# Allegro board LED_FIN.brd (continued)
## Nets (continued)
ROW_OUT_A34: D91.3(ANODE) D92.3(ANODE) D93.3(ANODE) D94.3(ANODE) D95.3(ANODE) D96.3(ANODE) D97.3(ANODE) D98.3(ANODE) D99.3(ANODE) D100.3(ANODE) D101.3(ANODE) D102.3(ANODE) D103.3(ANODE) D104.3(ANODE) D105.3(ANODE) D106.3(ANODE) D107.3(ANODE) D108.3(ANODE) D109.3(ANODE) D110.3(ANODE) D111.3(ANODE) D112.3(ANODE) D113.3(ANODE) D114.3(ANODE) D115.3(ANODE) D116.3(ANODE) D117.3(ANODE) D118.3(ANODE) D119.3(ANODE) D120.3(ANODE) D1231.3(ANODE) D1232.3(ANODE) D1233.3(ANODE) D1234.3(ANODE) D1235.3(ANODE) D1236.3(ANODE) D1237.3(ANODE) D1238.3(ANODE) D1239.3(ANODE) D1240.3(ANODE) D1241.3(ANODE) D1242.3(ANODE) D1243.3(ANODE) D1244.3(ANODE) D1245.3(ANODE) D1246.3(ANODE) D1247.3(ANODE) D1248.3(ANODE) D1249.3(ANODE) D1250.3(ANODE) D1251.3(ANODE) D1252.3(ANODE) D1253.3(ANODE) D1254.3(ANODE) D1255.3(ANODE) D1256.3(ANODE) D1257.3(ANODE) D1258.3(ANODE) D1259.3(ANODE) D1260.3(ANODE) D2371.3(ANODE) D2372.3(ANODE) D2373.3(ANODE) D2374.3(ANODE) D2375.3(ANODE) D2376.3(ANODE) D2377.3(ANODE) D2378.3(ANODE) D2379.3(ANODE) D2380.3(ANODE) D2381.3(ANODE) D2382.3(ANODE) D2383.3(ANODE) D2384.3(ANODE) D2385.3(ANODE) D2386.3(ANODE) D2387.3(ANODE) D2388.3(ANODE) D2389.3(ANODE) D2390.3(ANODE) D2391.3(ANODE) D2392.3(ANODE) D2393.3(ANODE) D2394.3(ANODE) D2395.3(ANODE) D2396.3(ANODE) D2397.3(ANODE) D2398.3(ANODE) D2399.3(ANODE) D2400.3(ANODE) D3511.3(ANODE) D3512.3(ANODE) D3513.3(ANODE) D3514.3(ANODE) D3515.3(ANODE) D3516.3(ANODE) D3517.3(ANODE) D3518.3(ANODE) D3519.3(ANODE) D3520.3(ANODE) D3521.3(ANODE) D3522.3(ANODE) D3523.3(ANODE) D3524.3(ANODE) D3525.3(ANODE) D3526.3(ANODE) D3527.3(ANODE) D3528.3(ANODE) D3529.3(ANODE) D3530.3(ANODE) D3531.3(ANODE) D3532.3(ANODE) D3533.3(ANODE) D3534.3(ANODE) D3535.3(ANODE) D3536.3(ANODE) D3537.3(ANODE) D3538.3(ANODE) D3539.3(ANODE) D3540.3(ANODE) U4.1(DRAIN)
ROW_OUT_A35: D61.3(ANODE) D62.3(ANODE) D63.3(ANODE) D64.3(ANODE) D65.3(ANODE) D66.3(ANODE) D67.3(ANODE) D68.3(ANODE) D69.3(ANODE) D70.3(ANODE) D71.3(ANODE) D72.3(ANODE) D73.3(ANODE) D74.3(ANODE) D75.3(ANODE) D76.3(ANODE) D77.3(ANODE) D78.3(ANODE) D79.3(ANODE) D80.3(ANODE) D81.3(ANODE) D82.3(ANODE) D83.3(ANODE) D84.3(ANODE) D85.3(ANODE) D86.3(ANODE) D87.3(ANODE) D88.3(ANODE) D89.3(ANODE) D90.3(ANODE) D1201.3(ANODE) D1202.3(ANODE) D1203.3(ANODE) D1204.3(ANODE) D1205.3(ANODE) D1206.3(ANODE) D1207.3(ANODE) D1208.3(ANODE) D1209.3(ANODE) D1210.3(ANODE) D1211.3(ANODE) D1212.3(ANODE) D1213.3(ANODE) D1214.3(ANODE) D1215.3(ANODE) D1216.3(ANODE) D1217.3(ANODE) D1218.3(ANODE) D1219.3(ANODE) D1220.3(ANODE) D1221.3(ANODE) D1222.3(ANODE) D1223.3(ANODE) D1224.3(ANODE) D1225.3(ANODE) D1226.3(ANODE) D1227.3(ANODE) D1228.3(ANODE) D1229.3(ANODE) D1230.3(ANODE) D2341.3(ANODE) D2342.3(ANODE) D2343.3(ANODE) D2344.3(ANODE) D2345.3(ANODE) D2346.3(ANODE) D2347.3(ANODE) D2348.3(ANODE) D2349.3(ANODE) D2350.3(ANODE) D2351.3(ANODE) D2352.3(ANODE) D2353.3(ANODE) D2354.3(ANODE) D2355.3(ANODE) D2356.3(ANODE) D2357.3(ANODE) D2358.3(ANODE) D2359.3(ANODE) D2360.3(ANODE) D2361.3(ANODE) D2362.3(ANODE) D2363.3(ANODE) D2364.3(ANODE) D2365.3(ANODE) D2366.3(ANODE) D2367.3(ANODE) D2368.3(ANODE) D2369.3(ANODE) D2370.3(ANODE) D3481.3(ANODE) D3482.3(ANODE) D3483.3(ANODE) D3484.3(ANODE) D3485.3(ANODE) D3486.3(ANODE) D3487.3(ANODE) D3488.3(ANODE) D3489.3(ANODE) D3490.3(ANODE) D3491.3(ANODE) D3492.3(ANODE) D3493.3(ANODE) D3494.3(ANODE) D3495.3(ANODE) D3496.3(ANODE) D3497.3(ANODE) D3498.3(ANODE) D3499.3(ANODE) D3500.3(ANODE) D3501.3(ANODE) D3502.3(ANODE) D3503.3(ANODE) D3504.3(ANODE) D3505.3(ANODE) D3506.3(ANODE) D3507.3(ANODE) D3508.3(ANODE) D3509.3(ANODE) D3510.3(ANODE) U3.1(DRAIN)
ROW_OUT_A36: D31.3(ANODE) D32.3(ANODE) D33.3(ANODE) D34.3(ANODE) D35.3(ANODE) D36.3(ANODE) D37.3(ANODE) D38.3(ANODE) D39.3(ANODE) D40.3(ANODE) D41.3(ANODE) D42.3(ANODE) D43.3(ANODE) D44.3(ANODE) D45.3(ANODE) D46.3(ANODE) D47.3(ANODE) D48.3(ANODE) D49.3(ANODE) D50.3(ANODE) D51.3(ANODE) D52.3(ANODE) D53.3(ANODE) D54.3(ANODE) D55.3(ANODE) D56.3(ANODE) D57.3(ANODE) D58.3(ANODE) D59.3(ANODE) D60.3(ANODE) D1171.3(ANODE) D1172.3(ANODE) D1173.3(ANODE) D1174.3(ANODE) D1175.3(ANODE) D1176.3(ANODE) D1177.3(ANODE) D1178.3(ANODE) D1179.3(ANODE) D1180.3(ANODE) D1181.3(ANODE) D1182.3(ANODE) D1183.3(ANODE) D1184.3(ANODE) D1185.3(ANODE) D1186.3(ANODE) D1187.3(ANODE) D1188.3(ANODE) D1189.3(ANODE) D1190.3(ANODE) D1191.3(ANODE) D1192.3(ANODE) D1193.3(ANODE) D1194.3(ANODE) D1195.3(ANODE) D1196.3(ANODE) D1197.3(ANODE) D1198.3(ANODE) D1199.3(ANODE) D1200.3(ANODE) D2311.3(ANODE) D2312.3(ANODE) D2313.3(ANODE) D2314.3(ANODE) D2315.3(ANODE) D2316.3(ANODE) D2317.3(ANODE) D2318.3(ANODE) D2319.3(ANODE) D2320.3(ANODE) D2321.3(ANODE) D2322.3(ANODE) D2323.3(ANODE) D2324.3(ANODE) D2325.3(ANODE) D2326.3(ANODE) D2327.3(ANODE) D2328.3(ANODE) D2329.3(ANODE) D2330.3(ANODE) D2331.3(ANODE) D2332.3(ANODE) D2333.3(ANODE) D2334.3(ANODE) D2335.3(ANODE) D2336.3(ANODE) D2337.3(ANODE) D2338.3(ANODE) D2339.3(ANODE) D2340.3(ANODE) D3451.3(ANODE) D3452.3(ANODE) D3453.3(ANODE) D3454.3(ANODE) D3455.3(ANODE) D3456.3(ANODE) D3457.3(ANODE) D3458.3(ANODE) D3459.3(ANODE) D3460.3(ANODE) D3461.3(ANODE) D3462.3(ANODE) D3463.3(ANODE) D3464.3(ANODE) D3465.3(ANODE) D3466.3(ANODE) D3467.3(ANODE) D3468.3(ANODE) D3469.3(ANODE) D3470.3(ANODE) D3471.3(ANODE) D3472.3(ANODE) D3473.3(ANODE) D3474.3(ANODE) D3475.3(ANODE) D3476.3(ANODE) D3477.3(ANODE) D3478.3(ANODE) D3479.3(ANODE) D3480.3(ANODE) U2.1(DRAIN)
ROW_OUT_A37: D1.3(ANODE) D2.3(ANODE) D3.3(ANODE) D4.3(ANODE) D5.3(ANODE) D6.3(ANODE) D7.3(ANODE) D8.3(ANODE) D9.3(ANODE) D10.3(ANODE) D11.3(ANODE) D12.3(ANODE) D13.3(ANODE) D14.3(ANODE) D15.3(ANODE) D16.3(ANODE) D17.3(ANODE) D18.3(ANODE) D19.3(ANODE) D20.3(ANODE) D21.3(ANODE) D22.3(ANODE) D23.3(ANODE) D24.3(ANODE) D25.3(ANODE) D26.3(ANODE) D27.3(ANODE) D28.3(ANODE) D29.3(ANODE) D30.3(ANODE) D1141.3(ANODE) D1142.3(ANODE) D1143.3(ANODE) D1144.3(ANODE) D1145.3(ANODE) D1146.3(ANODE) D1147.3(ANODE) D1148.3(ANODE) D1149.3(ANODE) D1150.3(ANODE) D1151.3(ANODE) D1152.3(ANODE) D1153.3(ANODE) D1154.3(ANODE) D1155.3(ANODE) D1156.3(ANODE) D1157.3(ANODE) D1158.3(ANODE) D1159.3(ANODE) D1160.3(ANODE) D1161.3(ANODE) D1162.3(ANODE) D1163.3(ANODE) D1164.3(ANODE) D1165.3(ANODE) D1166.3(ANODE) D1167.3(ANODE) D1168.3(ANODE) D1169.3(ANODE) D1170.3(ANODE) D2281.3(ANODE) D2282.3(ANODE) D2283.3(ANODE) D2284.3(ANODE) D2285.3(ANODE) D2286.3(ANODE) D2287.3(ANODE) D2288.3(ANODE) D2289.3(ANODE) D2290.3(ANODE) D2291.3(ANODE) D2292.3(ANODE) D2293.3(ANODE) D2294.3(ANODE) D2295.3(ANODE) D2296.3(ANODE) D2297.3(ANODE) D2298.3(ANODE) D2299.3(ANODE) D2300.3(ANODE) D2301.3(ANODE) D2302.3(ANODE) D2303.3(ANODE) D2304.3(ANODE) D2305.3(ANODE) D2306.3(ANODE) D2307.3(ANODE) D2308.3(ANODE) D2309.3(ANODE) D2310.3(ANODE) D3421.3(ANODE) D3422.3(ANODE) D3423.3(ANODE) D3424.3(ANODE) D3425.3(ANODE) D3426.3(ANODE) D3427.3(ANODE) D3428.3(ANODE) D3429.3(ANODE) D3430.3(ANODE) D3431.3(ANODE) D3432.3(ANODE) D3433.3(ANODE) D3434.3(ANODE) D3435.3(ANODE) D3436.3(ANODE) D3437.3(ANODE) D3438.3(ANODE) D3439.3(ANODE) D3440.3(ANODE) D3441.3(ANODE) D3442.3(ANODE) D3443.3(ANODE) D3444.3(ANODE) D3445.3(ANODE) D3446.3(ANODE) D3447.3(ANODE) D3448.3(ANODE) D3449.3(ANODE) D3450.3(ANODE) U1.1(DRAIN)
ROW_OUT_B0: D5671.3(ANODE) D5672.3(ANODE) D5673.3(ANODE) D5674.3(ANODE) D5675.3(ANODE) D5676.3(ANODE) D5677.3(ANODE) D5678.3(ANODE) D5679.3(ANODE) D5680.3(ANODE) D5681.3(ANODE) D5682.3(ANODE) D5683.3(ANODE) D5684.3(ANODE) D5685.3(ANODE) D5686.3(ANODE) D5687.3(ANODE) D5688.3(ANODE) D5689.3(ANODE) D5690.3(ANODE) D5691.3(ANODE) D5692.3(ANODE) D5693.3(ANODE) D5694.3(ANODE) D5695.3(ANODE) D5696.3(ANODE) D5697.3(ANODE) D5698.3(ANODE) D5699.3(ANODE) D5700.3(ANODE) D6811.3(ANODE) D6812.3(ANODE) D6813.3(ANODE) D6814.3(ANODE) D6815.3(ANODE) D6816.3(ANODE) D6817.3(ANODE) D6818.3(ANODE) D6819.3(ANODE) D6820.3(ANODE) D6821.3(ANODE) D6822.3(ANODE) D6823.3(ANODE) D6824.3(ANODE) D6825.3(ANODE) D6826.3(ANODE) D6827.3(ANODE) D6828.3(ANODE) D6829.3(ANODE) D6830.3(ANODE) D6831.3(ANODE) D6832.3(ANODE) D6833.3(ANODE) D6834.3(ANODE) D6835.3(ANODE) D6836.3(ANODE) D6837.3(ANODE) D6838.3(ANODE) D6839.3(ANODE) D6840.3(ANODE) D7951.3(ANODE) D7952.3(ANODE) D7953.3(ANODE) D7954.3(ANODE) D7955.3(ANODE) D7956.3(ANODE) D7957.3(ANODE) D7958.3(ANODE) D7959.3(ANODE) D7960.3(ANODE) D7961.3(ANODE) D7962.3(ANODE) D7963.3(ANODE) D7964.3(ANODE) D7965.3(ANODE) D7966.3(ANODE) D7967.3(ANODE) D7968.3(ANODE) D7969.3(ANODE) D7970.3(ANODE) D7971.3(ANODE) D7972.3(ANODE) D7973.3(ANODE) D7974.3(ANODE) D7975.3(ANODE) D7976.3(ANODE) D7977.3(ANODE) D7978.3(ANODE) D7979.3(ANODE) D7980.3(ANODE) D9091.3(ANODE) D9092.3(ANODE) D9093.3(ANODE) D9094.3(ANODE) D9095.3(ANODE) D9096.3(ANODE) D9097.3(ANODE) D9098.3(ANODE) D9099.3(ANODE) D9100.3(ANODE) D9101.3(ANODE) D9102.3(ANODE) D9103.3(ANODE) D9104.3(ANODE) D9105.3(ANODE) D9106.3(ANODE) D9107.3(ANODE) D9108.3(ANODE) D9109.3(ANODE) D9110.3(ANODE) D9111.3(ANODE) D9112.3(ANODE) D9113.3(ANODE) D9114.3(ANODE) D9115.3(ANODE) D9116.3(ANODE) D9117.3(ANODE) D9118.3(ANODE) D9119.3(ANODE) D9120.3(ANODE) U76.1(DRAIN)
ROW_OUT_B1: D5641.3(ANODE) D5642.3(ANODE) D5643.3(ANODE) D5644.3(ANODE) D5645.3(ANODE) D5646.3(ANODE) D5647.3(ANODE) D5648.3(ANODE) D5649.3(ANODE) D5650.3(ANODE) D5651.3(ANODE) D5652.3(ANODE) D5653.3(ANODE) D5654.3(ANODE) D5655.3(ANODE) D5656.3(ANODE) D5657.3(ANODE) D5658.3(ANODE) D5659.3(ANODE) D5660.3(ANODE) D5661.3(ANODE) D5662.3(ANODE) D5663.3(ANODE) D5664.3(ANODE) D5665.3(ANODE) D5666.3(ANODE) D5667.3(ANODE) D5668.3(ANODE) D5669.3(ANODE) D5670.3(ANODE) D6781.3(ANODE) D6782.3(ANODE) D6783.3(ANODE) D6784.3(ANODE) D6785.3(ANODE) D6786.3(ANODE) D6787.3(ANODE) D6788.3(ANODE) D6789.3(ANODE) D6790.3(ANODE) D6791.3(ANODE) D6792.3(ANODE) D6793.3(ANODE) D6794.3(ANODE) D6795.3(ANODE) D6796.3(ANODE) D6797.3(ANODE) D6798.3(ANODE) D6799.3(ANODE) D6800.3(ANODE) D6801.3(ANODE) D6802.3(ANODE) D6803.3(ANODE) D6804.3(ANODE) D6805.3(ANODE) D6806.3(ANODE) D6807.3(ANODE) D6808.3(ANODE) D6809.3(ANODE) D6810.3(ANODE) D7921.3(ANODE) D7922.3(ANODE) D7923.3(ANODE) D7924.3(ANODE) D7925.3(ANODE) D7926.3(ANODE) D7927.3(ANODE) D7928.3(ANODE) D7929.3(ANODE) D7930.3(ANODE) D7931.3(ANODE) D7932.3(ANODE) D7933.3(ANODE) D7934.3(ANODE) D7935.3(ANODE) D7936.3(ANODE) D7937.3(ANODE) D7938.3(ANODE) D7939.3(ANODE) D7940.3(ANODE) D7941.3(ANODE) D7942.3(ANODE) D7943.3(ANODE) D7944.3(ANODE) D7945.3(ANODE) D7946.3(ANODE) D7947.3(ANODE) D7948.3(ANODE) D7949.3(ANODE) D7950.3(ANODE) D9061.3(ANODE) D9062.3(ANODE) D9063.3(ANODE) D9064.3(ANODE) D9065.3(ANODE) D9066.3(ANODE) D9067.3(ANODE) D9068.3(ANODE) D9069.3(ANODE) D9070.3(ANODE) D9071.3(ANODE) D9072.3(ANODE) D9073.3(ANODE) D9074.3(ANODE) D9075.3(ANODE) D9076.3(ANODE) D9077.3(ANODE) D9078.3(ANODE) D9079.3(ANODE) D9080.3(ANODE) D9081.3(ANODE) D9082.3(ANODE) D9083.3(ANODE) D9084.3(ANODE) D9085.3(ANODE) D9086.3(ANODE) D9087.3(ANODE) D9088.3(ANODE) D9089.3(ANODE) D9090.3(ANODE) U75.1(DRAIN)
ROW_OUT_B2: D5611.3(ANODE) D5612.3(ANODE) D5613.3(ANODE) D5614.3(ANODE) D5615.3(ANODE) D5616.3(ANODE) D5617.3(ANODE) D5618.3(ANODE) D5619.3(ANODE) D5620.3(ANODE) D5621.3(ANODE) D5622.3(ANODE) D5623.3(ANODE) D5624.3(ANODE) D5625.3(ANODE) D5626.3(ANODE) D5627.3(ANODE) D5628.3(ANODE) D5629.3(ANODE) D5630.3(ANODE) D5631.3(ANODE) D5632.3(ANODE) D5633.3(ANODE) D5634.3(ANODE) D5635.3(ANODE) D5636.3(ANODE) D5637.3(ANODE) D5638.3(ANODE) D5639.3(ANODE) D5640.3(ANODE) D6751.3(ANODE) D6752.3(ANODE) D6753.3(ANODE) D6754.3(ANODE) D6755.3(ANODE) D6756.3(ANODE) D6757.3(ANODE) D6758.3(ANODE) D6759.3(ANODE) D6760.3(ANODE) D6761.3(ANODE) D6762.3(ANODE) D6763.3(ANODE) D6764.3(ANODE) D6765.3(ANODE) D6766.3(ANODE) D6767.3(ANODE) D6768.3(ANODE) D6769.3(ANODE) D6770.3(ANODE) D6771.3(ANODE) D6772.3(ANODE) D6773.3(ANODE) D6774.3(ANODE) D6775.3(ANODE) D6776.3(ANODE) D6777.3(ANODE) D6778.3(ANODE) D6779.3(ANODE) D6780.3(ANODE) D7891.3(ANODE) D7892.3(ANODE) D7893.3(ANODE) D7894.3(ANODE) D7895.3(ANODE) D7896.3(ANODE) D7897.3(ANODE) D7898.3(ANODE) D7899.3(ANODE) D7900.3(ANODE) D7901.3(ANODE) D7902.3(ANODE) D7903.3(ANODE) D7904.3(ANODE) D7905.3(ANODE) D7906.3(ANODE) D7907.3(ANODE) D7908.3(ANODE) D7909.3(ANODE) D7910.3(ANODE) D7911.3(ANODE) D7912.3(ANODE) D7913.3(ANODE) D7914.3(ANODE) D7915.3(ANODE) D7916.3(ANODE) D7917.3(ANODE) D7918.3(ANODE) D7919.3(ANODE) D7920.3(ANODE) D9031.3(ANODE) D9032.3(ANODE) D9033.3(ANODE) D9034.3(ANODE) D9035.3(ANODE) D9036.3(ANODE) D9037.3(ANODE) D9038.3(ANODE) D9039.3(ANODE) D9040.3(ANODE) D9041.3(ANODE) D9042.3(ANODE) D9043.3(ANODE) D9044.3(ANODE) D9045.3(ANODE) D9046.3(ANODE) D9047.3(ANODE) D9048.3(ANODE) D9049.3(ANODE) D9050.3(ANODE) D9051.3(ANODE) D9052.3(ANODE) D9053.3(ANODE) D9054.3(ANODE) D9055.3(ANODE) D9056.3(ANODE) D9057.3(ANODE) D9058.3(ANODE) D9059.3(ANODE) D9060.3(ANODE) U74.1(DRAIN)
ROW_OUT_B3: D5581.3(ANODE) D5582.3(ANODE) D5583.3(ANODE) D5584.3(ANODE) D5585.3(ANODE) D5586.3(ANODE) D5587.3(ANODE) D5588.3(ANODE) D5589.3(ANODE) D5590.3(ANODE) D5591.3(ANODE) D5592.3(ANODE) D5593.3(ANODE) D5594.3(ANODE) D5595.3(ANODE) D5596.3(ANODE) D5597.3(ANODE) D5598.3(ANODE) D5599.3(ANODE) D5600.3(ANODE) D5601.3(ANODE) D5602.3(ANODE) D5603.3(ANODE) D5604.3(ANODE) D5605.3(ANODE) D5606.3(ANODE) D5607.3(ANODE) D5608.3(ANODE) D5609.3(ANODE) D5610.3(ANODE) D6721.3(ANODE) D6722.3(ANODE) D6723.3(ANODE) D6724.3(ANODE) D6725.3(ANODE) D6726.3(ANODE) D6727.3(ANODE) D6728.3(ANODE) D6729.3(ANODE) D6730.3(ANODE) D6731.3(ANODE) D6732.3(ANODE) D6733.3(ANODE) D6734.3(ANODE) D6735.3(ANODE) D6736.3(ANODE) D6737.3(ANODE) D6738.3(ANODE) D6739.3(ANODE) D6740.3(ANODE) D6741.3(ANODE) D6742.3(ANODE) D6743.3(ANODE) D6744.3(ANODE) D6745.3(ANODE) D6746.3(ANODE) D6747.3(ANODE) D6748.3(ANODE) D6749.3(ANODE) D6750.3(ANODE) D7861.3(ANODE) D7862.3(ANODE) D7863.3(ANODE) D7864.3(ANODE) D7865.3(ANODE) D7866.3(ANODE) D7867.3(ANODE) D7868.3(ANODE) D7869.3(ANODE) D7870.3(ANODE) D7871.3(ANODE) D7872.3(ANODE) D7873.3(ANODE) D7874.3(ANODE) D7875.3(ANODE) D7876.3(ANODE) D7877.3(ANODE) D7878.3(ANODE) D7879.3(ANODE) D7880.3(ANODE) D7881.3(ANODE) D7882.3(ANODE) D7883.3(ANODE) D7884.3(ANODE) D7885.3(ANODE) D7886.3(ANODE) D7887.3(ANODE) D7888.3(ANODE) D7889.3(ANODE) D7890.3(ANODE) D9001.3(ANODE) D9002.3(ANODE) D9003.3(ANODE) D9004.3(ANODE) D9005.3(ANODE) D9006.3(ANODE) D9007.3(ANODE) D9008.3(ANODE) D9009.3(ANODE) D9010.3(ANODE) D9011.3(ANODE) D9012.3(ANODE) D9013.3(ANODE) D9014.3(ANODE) D9015.3(ANODE) D9016.3(ANODE) D9017.3(ANODE) D9018.3(ANODE) D9019.3(ANODE) D9020.3(ANODE) D9021.3(ANODE) D9022.3(ANODE) D9023.3(ANODE) D9024.3(ANODE) D9025.3(ANODE) D9026.3(ANODE) D9027.3(ANODE) D9028.3(ANODE) D9029.3(ANODE) D9030.3(ANODE) U73.1(DRAIN)
ROW_OUT_B4: D5551.3(ANODE) D5552.3(ANODE) D5553.3(ANODE) D5554.3(ANODE) D5555.3(ANODE) D5556.3(ANODE) D5557.3(ANODE) D5558.3(ANODE) D5559.3(ANODE) D5560.3(ANODE) D5561.3(ANODE) D5562.3(ANODE) D5563.3(ANODE) D5564.3(ANODE) D5565.3(ANODE) D5566.3(ANODE) D5567.3(ANODE) D5568.3(ANODE) D5569.3(ANODE) D5570.3(ANODE) D5571.3(ANODE) D5572.3(ANODE) D5573.3(ANODE) D5574.3(ANODE) D5575.3(ANODE) D5576.3(ANODE) D5577.3(ANODE) D5578.3(ANODE) D5579.3(ANODE) D5580.3(ANODE) D6691.3(ANODE) D6692.3(ANODE) D6693.3(ANODE) D6694.3(ANODE) D6695.3(ANODE) D6696.3(ANODE) D6697.3(ANODE) D6698.3(ANODE) D6699.3(ANODE) D6700.3(ANODE) D6701.3(ANODE) D6702.3(ANODE) D6703.3(ANODE) D6704.3(ANODE) D6705.3(ANODE) D6706.3(ANODE) D6707.3(ANODE) D6708.3(ANODE) D6709.3(ANODE) D6710.3(ANODE) D6711.3(ANODE) D6712.3(ANODE) D6713.3(ANODE) D6714.3(ANODE) D6715.3(ANODE) D6716.3(ANODE) D6717.3(ANODE) D6718.3(ANODE) D6719.3(ANODE) D6720.3(ANODE) D7831.3(ANODE) D7832.3(ANODE) D7833.3(ANODE) D7834.3(ANODE) D7835.3(ANODE) D7836.3(ANODE) D7837.3(ANODE) D7838.3(ANODE) D7839.3(ANODE) D7840.3(ANODE) D7841.3(ANODE) D7842.3(ANODE) D7843.3(ANODE) D7844.3(ANODE) D7845.3(ANODE) D7846.3(ANODE) D7847.3(ANODE) D7848.3(ANODE) D7849.3(ANODE) D7850.3(ANODE) D7851.3(ANODE) D7852.3(ANODE) D7853.3(ANODE) D7854.3(ANODE) D7855.3(ANODE) D7856.3(ANODE) D7857.3(ANODE) D7858.3(ANODE) D7859.3(ANODE) D7860.3(ANODE) D8971.3(ANODE) D8972.3(ANODE) D8973.3(ANODE) D8974.3(ANODE) D8975.3(ANODE) D8976.3(ANODE) D8977.3(ANODE) D8978.3(ANODE) D8979.3(ANODE) D8980.3(ANODE) D8981.3(ANODE) D8982.3(ANODE) D8983.3(ANODE) D8984.3(ANODE) D8985.3(ANODE) D8986.3(ANODE) D8987.3(ANODE) D8988.3(ANODE) D8989.3(ANODE) D8990.3(ANODE) D8991.3(ANODE) D8992.3(ANODE) D8993.3(ANODE) D8994.3(ANODE) D8995.3(ANODE) D8996.3(ANODE) D8997.3(ANODE) D8998.3(ANODE) D8999.3(ANODE) D9000.3(ANODE) U72.1(DRAIN)
ROW_OUT_B5: D5521.3(ANODE) D5522.3(ANODE) D5523.3(ANODE) D5524.3(ANODE) D5525.3(ANODE) D5526.3(ANODE) D5527.3(ANODE) D5528.3(ANODE) D5529.3(ANODE) D5530.3(ANODE) D5531.3(ANODE) D5532.3(ANODE) D5533.3(ANODE) D5534.3(ANODE) D5535.3(ANODE) D5536.3(ANODE) D5537.3(ANODE) D5538.3(ANODE) D5539.3(ANODE) D5540.3(ANODE) D5541.3(ANODE) D5542.3(ANODE) D5543.3(ANODE) D5544.3(ANODE) D5545.3(ANODE) D5546.3(ANODE) D5547.3(ANODE) D5548.3(ANODE) D5549.3(ANODE) D5550.3(ANODE) D6661.3(ANODE) D6662.3(ANODE) D6663.3(ANODE) D6664.3(ANODE) D6665.3(ANODE) D6666.3(ANODE) D6667.3(ANODE) D6668.3(ANODE) D6669.3(ANODE) D6670.3(ANODE) D6671.3(ANODE) D6672.3(ANODE) D6673.3(ANODE) D6674.3(ANODE) D6675.3(ANODE) D6676.3(ANODE) D6677.3(ANODE) D6678.3(ANODE) D6679.3(ANODE) D6680.3(ANODE) D6681.3(ANODE) D6682.3(ANODE) D6683.3(ANODE) D6684.3(ANODE) D6685.3(ANODE) D6686.3(ANODE) D6687.3(ANODE) D6688.3(ANODE) D6689.3(ANODE) D6690.3(ANODE) D7801.3(ANODE) D7802.3(ANODE) D7803.3(ANODE) D7804.3(ANODE) D7805.3(ANODE) D7806.3(ANODE) D7807.3(ANODE) D7808.3(ANODE) D7809.3(ANODE) D7810.3(ANODE) D7811.3(ANODE) D7812.3(ANODE) D7813.3(ANODE) D7814.3(ANODE) D7815.3(ANODE) D7816.3(ANODE) D7817.3(ANODE) D7818.3(ANODE) D7819.3(ANODE) D7820.3(ANODE) D7821.3(ANODE) D7822.3(ANODE) D7823.3(ANODE) D7824.3(ANODE) D7825.3(ANODE) D7826.3(ANODE) D7827.3(ANODE) D7828.3(ANODE) D7829.3(ANODE) D7830.3(ANODE) D8941.3(ANODE) D8942.3(ANODE) D8943.3(ANODE) D8944.3(ANODE) D8945.3(ANODE) D8946.3(ANODE) D8947.3(ANODE) D8948.3(ANODE) D8949.3(ANODE) D8950.3(ANODE) D8951.3(ANODE) D8952.3(ANODE) D8953.3(ANODE) D8954.3(ANODE) D8955.3(ANODE) D8956.3(ANODE) D8957.3(ANODE) D8958.3(ANODE) D8959.3(ANODE) D8960.3(ANODE) D8961.3(ANODE) D8962.3(ANODE) D8963.3(ANODE) D8964.3(ANODE) D8965.3(ANODE) D8966.3(ANODE) D8967.3(ANODE) D8968.3(ANODE) D8969.3(ANODE) D8970.3(ANODE) U71.1(DRAIN)
ROW_OUT_B6: D5491.3(ANODE) D5492.3(ANODE) D5493.3(ANODE) D5494.3(ANODE) D5495.3(ANODE) D5496.3(ANODE) D5497.3(ANODE) D5498.3(ANODE) D5499.3(ANODE) D5500.3(ANODE) D5501.3(ANODE) D5502.3(ANODE) D5503.3(ANODE) D5504.3(ANODE) D5505.3(ANODE) D5506.3(ANODE) D5507.3(ANODE) D5508.3(ANODE) D5509.3(ANODE) D5510.3(ANODE) D5511.3(ANODE) D5512.3(ANODE) D5513.3(ANODE) D5514.3(ANODE) D5515.3(ANODE) D5516.3(ANODE) D5517.3(ANODE) D5518.3(ANODE) D5519.3(ANODE) D5520.3(ANODE) D6631.3(ANODE) D6632.3(ANODE) D6633.3(ANODE) D6634.3(ANODE) D6635.3(ANODE) D6636.3(ANODE) D6637.3(ANODE) D6638.3(ANODE) D6639.3(ANODE) D6640.3(ANODE) D6641.3(ANODE) D6642.3(ANODE) D6643.3(ANODE) D6644.3(ANODE) D6645.3(ANODE) D6646.3(ANODE) D6647.3(ANODE) D6648.3(ANODE) D6649.3(ANODE) D6650.3(ANODE) D6651.3(ANODE) D6652.3(ANODE) D6653.3(ANODE) D6654.3(ANODE) D6655.3(ANODE) D6656.3(ANODE) D6657.3(ANODE) D6658.3(ANODE) D6659.3(ANODE) D6660.3(ANODE) D7771.3(ANODE) D7772.3(ANODE) D7773.3(ANODE) D7774.3(ANODE) D7775.3(ANODE) D7776.3(ANODE) D7777.3(ANODE) D7778.3(ANODE) D7779.3(ANODE) D7780.3(ANODE) D7781.3(ANODE) D7782.3(ANODE) D7783.3(ANODE) D7784.3(ANODE) D7785.3(ANODE) D7786.3(ANODE) D7787.3(ANODE) D7788.3(ANODE) D7789.3(ANODE) D7790.3(ANODE) D7791.3(ANODE) D7792.3(ANODE) D7793.3(ANODE) D7794.3(ANODE) D7795.3(ANODE) D7796.3(ANODE) D7797.3(ANODE) D7798.3(ANODE) D7799.3(ANODE) D7800.3(ANODE) D8911.3(ANODE) D8912.3(ANODE) D8913.3(ANODE) D8914.3(ANODE) D8915.3(ANODE) D8916.3(ANODE) D8917.3(ANODE) D8918.3(ANODE) D8919.3(ANODE) D8920.3(ANODE) D8921.3(ANODE) D8922.3(ANODE) D8923.3(ANODE) D8924.3(ANODE) D8925.3(ANODE) D8926.3(ANODE) D8927.3(ANODE) D8928.3(ANODE) D8929.3(ANODE) D8930.3(ANODE) D8931.3(ANODE) D8932.3(ANODE) D8933.3(ANODE) D8934.3(ANODE) D8935.3(ANODE) D8936.3(ANODE) D8937.3(ANODE) D8938.3(ANODE) D8939.3(ANODE) D8940.3(ANODE) U70.1(DRAIN)
ROW_OUT_B7: D5461.3(ANODE) D5462.3(ANODE) D5463.3(ANODE) D5464.3(ANODE) D5465.3(ANODE) D5466.3(ANODE) D5467.3(ANODE) D5468.3(ANODE) D5469.3(ANODE) D5470.3(ANODE) D5471.3(ANODE) D5472.3(ANODE) D5473.3(ANODE) D5474.3(ANODE) D5475.3(ANODE) D5476.3(ANODE) D5477.3(ANODE) D5478.3(ANODE) D5479.3(ANODE) D5480.3(ANODE) D5481.3(ANODE) D5482.3(ANODE) D5483.3(ANODE) D5484.3(ANODE) D5485.3(ANODE) D5486.3(ANODE) D5487.3(ANODE) D5488.3(ANODE) D5489.3(ANODE) D5490.3(ANODE) D6601.3(ANODE) D6602.3(ANODE) D6603.3(ANODE) D6604.3(ANODE) D6605.3(ANODE) D6606.3(ANODE) D6607.3(ANODE) D6608.3(ANODE) D6609.3(ANODE) D6610.3(ANODE) D6611.3(ANODE) D6612.3(ANODE) D6613.3(ANODE) D6614.3(ANODE) D6615.3(ANODE) D6616.3(ANODE) D6617.3(ANODE) D6618.3(ANODE) D6619.3(ANODE) D6620.3(ANODE) D6621.3(ANODE) D6622.3(ANODE) D6623.3(ANODE) D6624.3(ANODE) D6625.3(ANODE) D6626.3(ANODE) D6627.3(ANODE) D6628.3(ANODE) D6629.3(ANODE) D6630.3(ANODE) D7741.3(ANODE) D7742.3(ANODE) D7743.3(ANODE) D7744.3(ANODE) D7745.3(ANODE) D7746.3(ANODE) D7747.3(ANODE) D7748.3(ANODE) D7749.3(ANODE) D7750.3(ANODE) D7751.3(ANODE) D7752.3(ANODE) D7753.3(ANODE) D7754.3(ANODE) D7755.3(ANODE) D7756.3(ANODE) D7757.3(ANODE) D7758.3(ANODE) D7759.3(ANODE) D7760.3(ANODE) D7761.3(ANODE) D7762.3(ANODE) D7763.3(ANODE) D7764.3(ANODE) D7765.3(ANODE) D7766.3(ANODE) D7767.3(ANODE) D7768.3(ANODE) D7769.3(ANODE) D7770.3(ANODE) D8881.3(ANODE) D8882.3(ANODE) D8883.3(ANODE) D8884.3(ANODE) D8885.3(ANODE) D8886.3(ANODE) D8887.3(ANODE) D8888.3(ANODE) D8889.3(ANODE) D8890.3(ANODE) D8891.3(ANODE) D8892.3(ANODE) D8893.3(ANODE) D8894.3(ANODE) D8895.3(ANODE) D8896.3(ANODE) D8897.3(ANODE) D8898.3(ANODE) D8899.3(ANODE) D8900.3(ANODE) D8901.3(ANODE) D8902.3(ANODE) D8903.3(ANODE) D8904.3(ANODE) D8905.3(ANODE) D8906.3(ANODE) D8907.3(ANODE) D8908.3(ANODE) D8909.3(ANODE) D8910.3(ANODE) U69.1(DRAIN)
ROW_OUT_B8: D5431.3(ANODE) D5432.3(ANODE) D5433.3(ANODE) D5434.3(ANODE) D5435.3(ANODE) D5436.3(ANODE) D5437.3(ANODE) D5438.3(ANODE) D5439.3(ANODE) D5440.3(ANODE) D5441.3(ANODE) D5442.3(ANODE) D5443.3(ANODE) D5444.3(ANODE) D5445.3(ANODE) D5446.3(ANODE) D5447.3(ANODE) D5448.3(ANODE) D5449.3(ANODE) D5450.3(ANODE) D5451.3(ANODE) D5452.3(ANODE) D5453.3(ANODE) D5454.3(ANODE) D5455.3(ANODE) D5456.3(ANODE) D5457.3(ANODE) D5458.3(ANODE) D5459.3(ANODE) D5460.3(ANODE) D6571.3(ANODE) D6572.3(ANODE) D6573.3(ANODE) D6574.3(ANODE) D6575.3(ANODE) D6576.3(ANODE) D6577.3(ANODE) D6578.3(ANODE) D6579.3(ANODE) D6580.3(ANODE) D6581.3(ANODE) D6582.3(ANODE) D6583.3(ANODE) D6584.3(ANODE) D6585.3(ANODE) D6586.3(ANODE) D6587.3(ANODE) D6588.3(ANODE) D6589.3(ANODE) D6590.3(ANODE) D6591.3(ANODE) D6592.3(ANODE) D6593.3(ANODE) D6594.3(ANODE) D6595.3(ANODE) D6596.3(ANODE) D6597.3(ANODE) D6598.3(ANODE) D6599.3(ANODE) D6600.3(ANODE) D7711.3(ANODE) D7712.3(ANODE) D7713.3(ANODE) D7714.3(ANODE) D7715.3(ANODE) D7716.3(ANODE) D7717.3(ANODE) D7718.3(ANODE) D7719.3(ANODE) D7720.3(ANODE) D7721.3(ANODE) D7722.3(ANODE) D7723.3(ANODE) D7724.3(ANODE) D7725.3(ANODE) D7726.3(ANODE) D7727.3(ANODE) D7728.3(ANODE) D7729.3(ANODE) D7730.3(ANODE) D7731.3(ANODE) D7732.3(ANODE) D7733.3(ANODE) D7734.3(ANODE) D7735.3(ANODE) D7736.3(ANODE) D7737.3(ANODE) D7738.3(ANODE) D7739.3(ANODE) D7740.3(ANODE) D8851.3(ANODE) D8852.3(ANODE) D8853.3(ANODE) D8854.3(ANODE) D8855.3(ANODE) D8856.3(ANODE) D8857.3(ANODE) D8858.3(ANODE) D8859.3(ANODE) D8860.3(ANODE) D8861.3(ANODE) D8862.3(ANODE) D8863.3(ANODE) D8864.3(ANODE) D8865.3(ANODE) D8866.3(ANODE) D8867.3(ANODE) D8868.3(ANODE) D8869.3(ANODE) D8870.3(ANODE) D8871.3(ANODE) D8872.3(ANODE) D8873.3(ANODE) D8874.3(ANODE) D8875.3(ANODE) D8876.3(ANODE) D8877.3(ANODE) D8878.3(ANODE) D8879.3(ANODE) D8880.3(ANODE) U68.1(DRAIN)
ROW_OUT_B9: D5401.3(ANODE) D5402.3(ANODE) D5403.3(ANODE) D5404.3(ANODE) D5405.3(ANODE) D5406.3(ANODE) D5407.3(ANODE) D5408.3(ANODE) D5409.3(ANODE) D5410.3(ANODE) D5411.3(ANODE) D5412.3(ANODE) D5413.3(ANODE) D5414.3(ANODE) D5415.3(ANODE) D5416.3(ANODE) D5417.3(ANODE) D5418.3(ANODE) D5419.3(ANODE) D5420.3(ANODE) D5421.3(ANODE) D5422.3(ANODE) D5423.3(ANODE) D5424.3(ANODE) D5425.3(ANODE) D5426.3(ANODE) D5427.3(ANODE) D5428.3(ANODE) D5429.3(ANODE) D5430.3(ANODE) D6541.3(ANODE) D6542.3(ANODE) D6543.3(ANODE) D6544.3(ANODE) D6545.3(ANODE) D6546.3(ANODE) D6547.3(ANODE) D6548.3(ANODE) D6549.3(ANODE) D6550.3(ANODE) D6551.3(ANODE) D6552.3(ANODE) D6553.3(ANODE) D6554.3(ANODE) D6555.3(ANODE) D6556.3(ANODE) D6557.3(ANODE) D6558.3(ANODE) D6559.3(ANODE) D6560.3(ANODE) D6561.3(ANODE) D6562.3(ANODE) D6563.3(ANODE) D6564.3(ANODE) D6565.3(ANODE) D6566.3(ANODE) D6567.3(ANODE) D6568.3(ANODE) D6569.3(ANODE) D6570.3(ANODE) D7681.3(ANODE) D7682.3(ANODE) D7683.3(ANODE) D7684.3(ANODE) D7685.3(ANODE) D7686.3(ANODE) D7687.3(ANODE) D7688.3(ANODE) D7689.3(ANODE) D7690.3(ANODE) D7691.3(ANODE) D7692.3(ANODE) D7693.3(ANODE) D7694.3(ANODE) D7695.3(ANODE) D7696.3(ANODE) D7697.3(ANODE) D7698.3(ANODE) D7699.3(ANODE) D7700.3(ANODE) D7701.3(ANODE) D7702.3(ANODE) D7703.3(ANODE) D7704.3(ANODE) D7705.3(ANODE) D7706.3(ANODE) D7707.3(ANODE) D7708.3(ANODE) D7709.3(ANODE) D7710.3(ANODE) D8821.3(ANODE) D8822.3(ANODE) D8823.3(ANODE) D8824.3(ANODE) D8825.3(ANODE) D8826.3(ANODE) D8827.3(ANODE) D8828.3(ANODE) D8829.3(ANODE) D8830.3(ANODE) D8831.3(ANODE) D8832.3(ANODE) D8833.3(ANODE) D8834.3(ANODE) D8835.3(ANODE) D8836.3(ANODE) D8837.3(ANODE) D8838.3(ANODE) D8839.3(ANODE) D8840.3(ANODE) D8841.3(ANODE) D8842.3(ANODE) D8843.3(ANODE) D8844.3(ANODE) D8845.3(ANODE) D8846.3(ANODE) D8847.3(ANODE) D8848.3(ANODE) D8849.3(ANODE) D8850.3(ANODE) U67.1(DRAIN)